# Altium PCB TM4C123G.PcbDoc (part 1 of 2)
Units mm, origin at the board's own origin, x right, y up, seen from the top; angles counter-clockwise.
Board outline 50.8 x 66.04 mm, 4 copper layers (Top Layer, GND, PWR, Bottom Layer), stack 1.605 mm thick; 93 components, 87 nets, 372 pads, 308 vias.
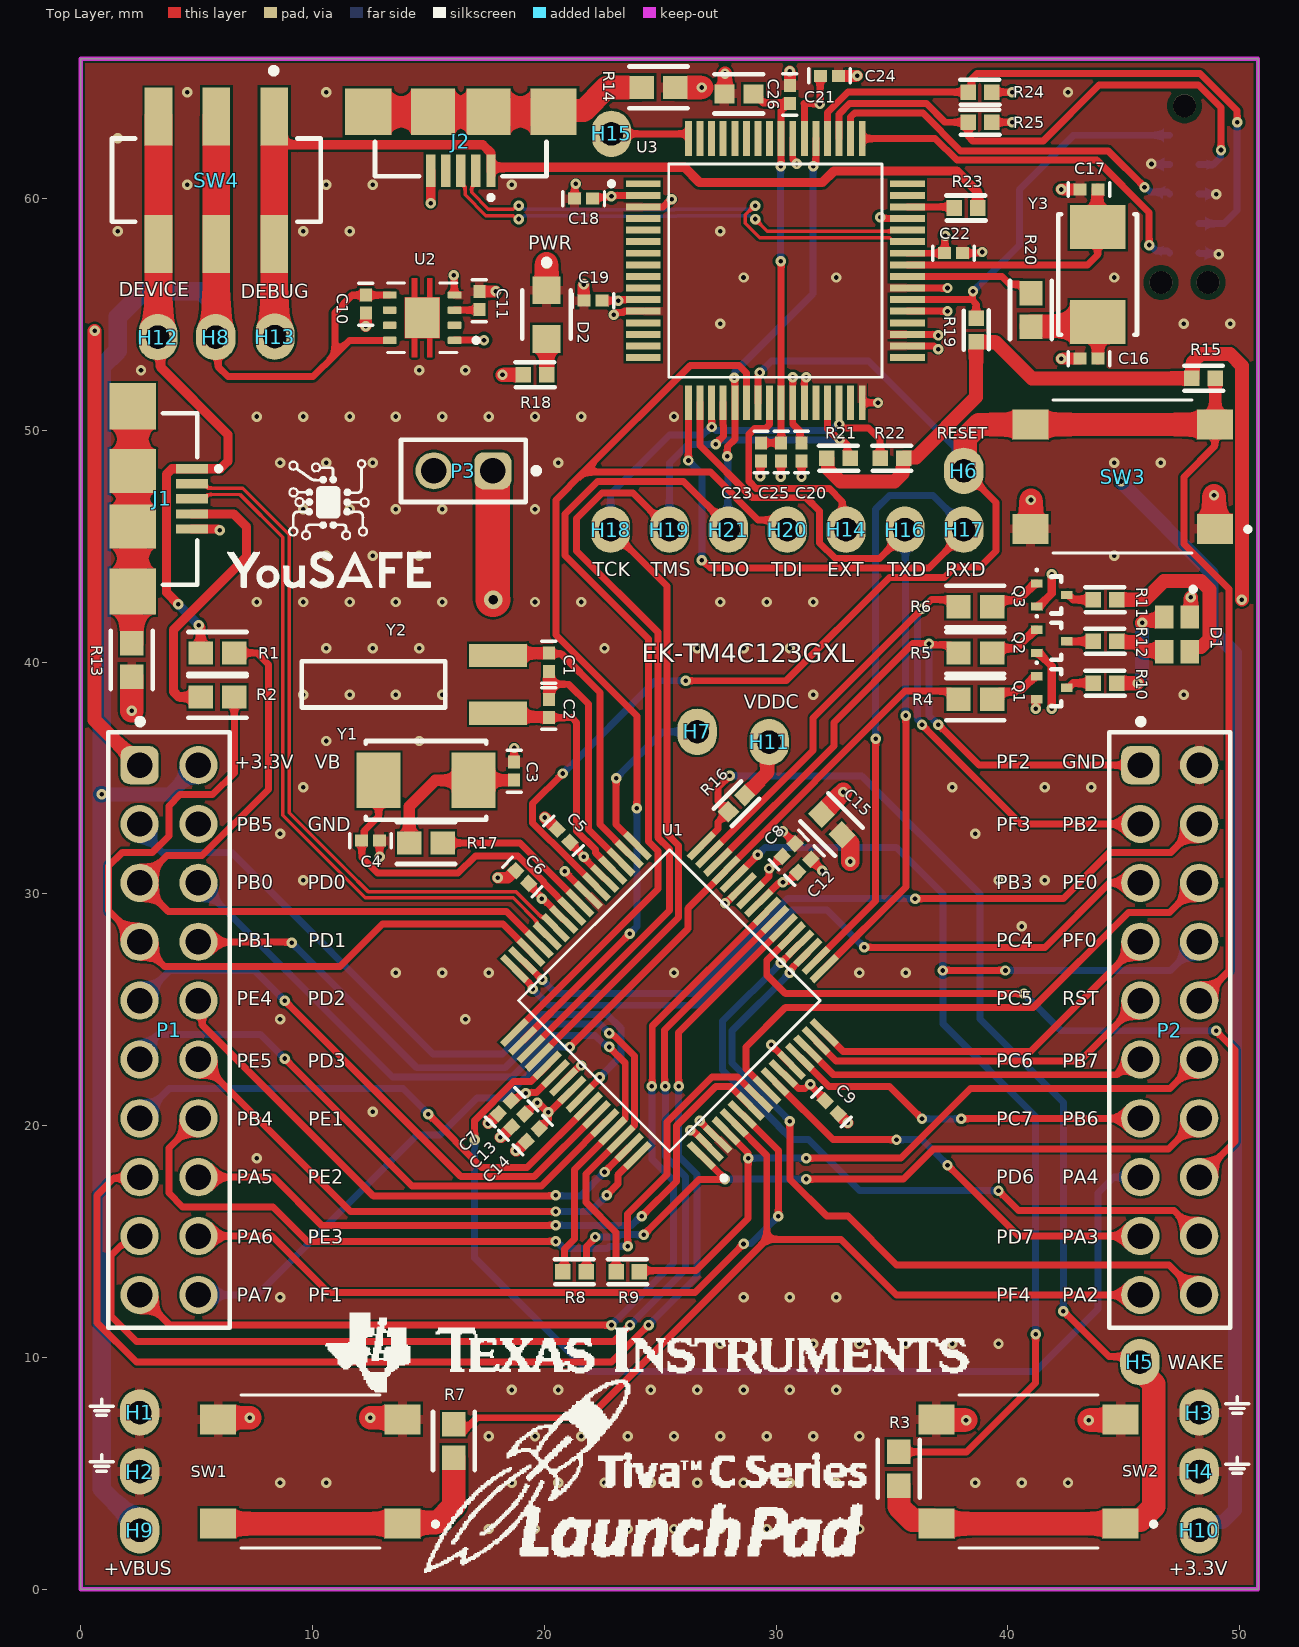
[diagram p0: Top Layer view]
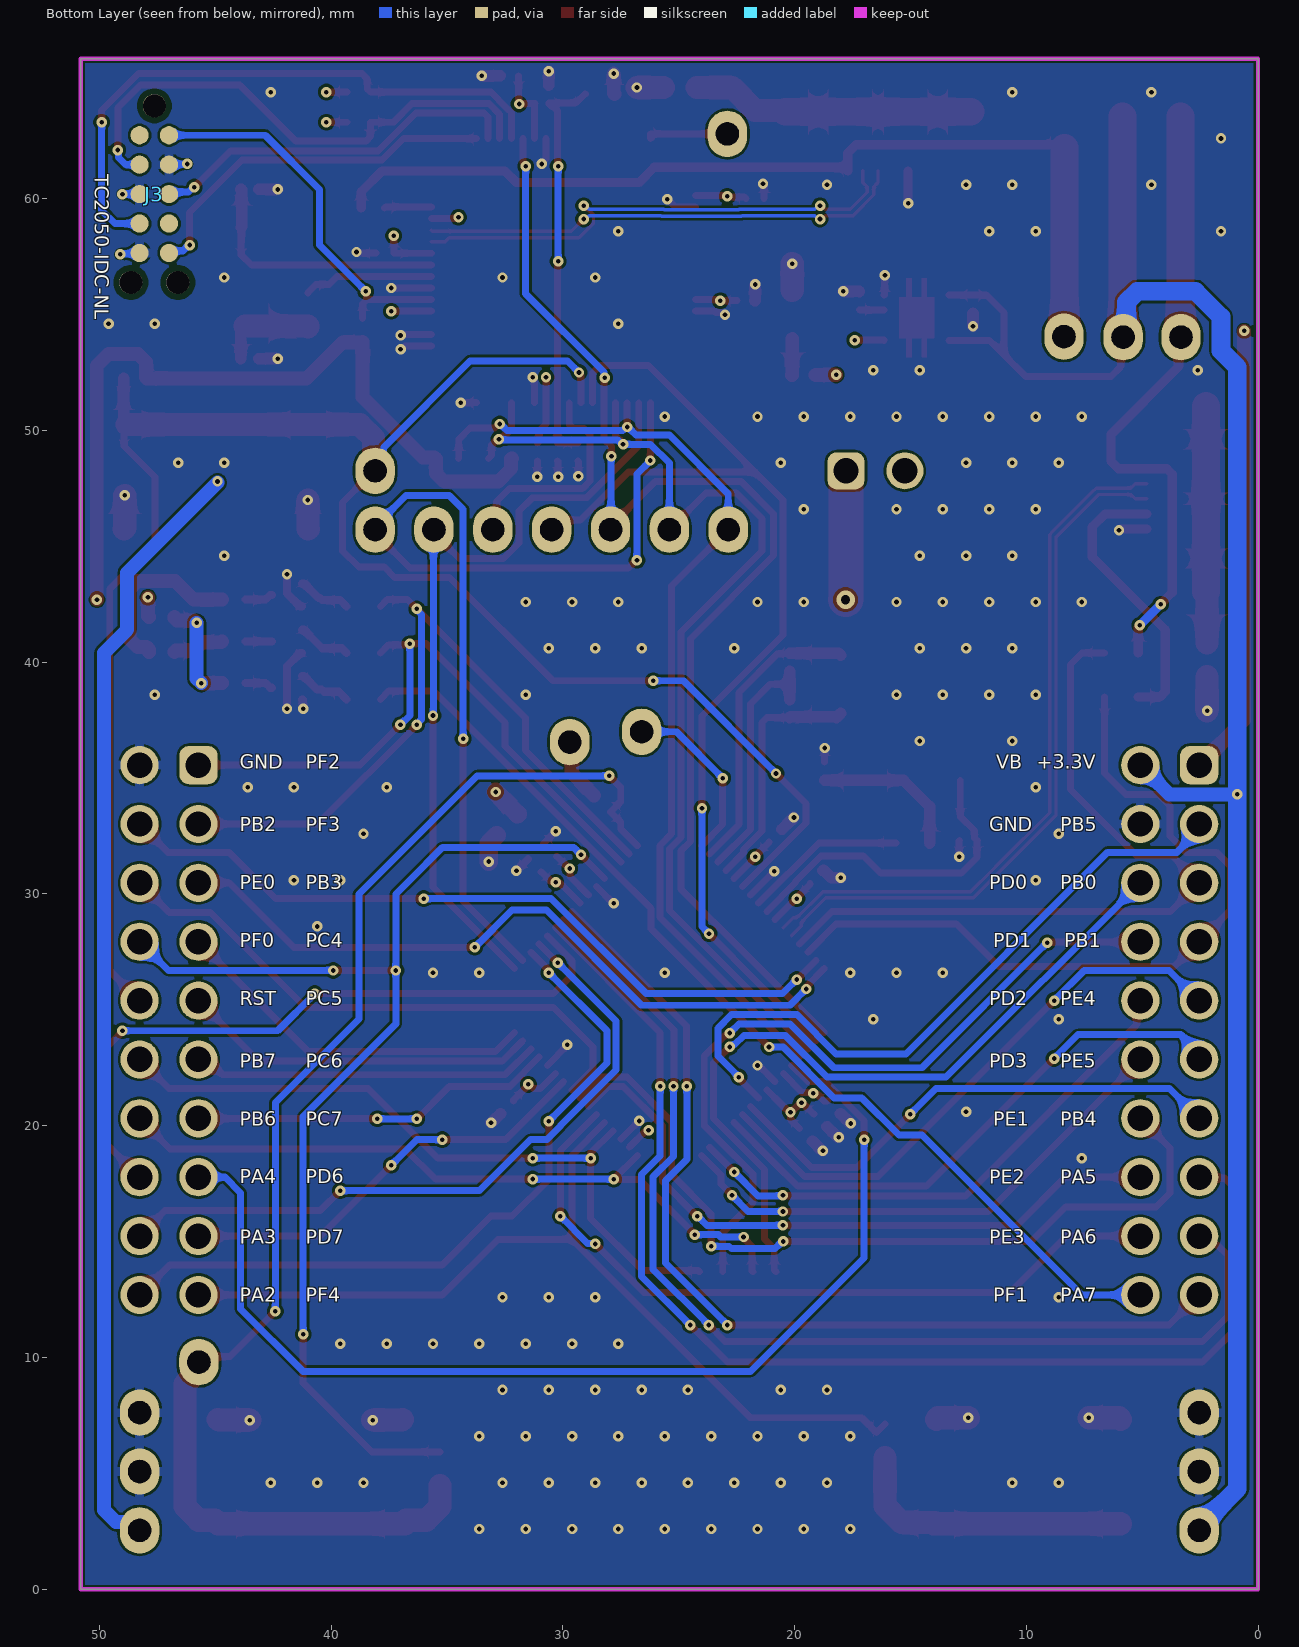
[diagram p1: Bottom Layer view, seen from below]
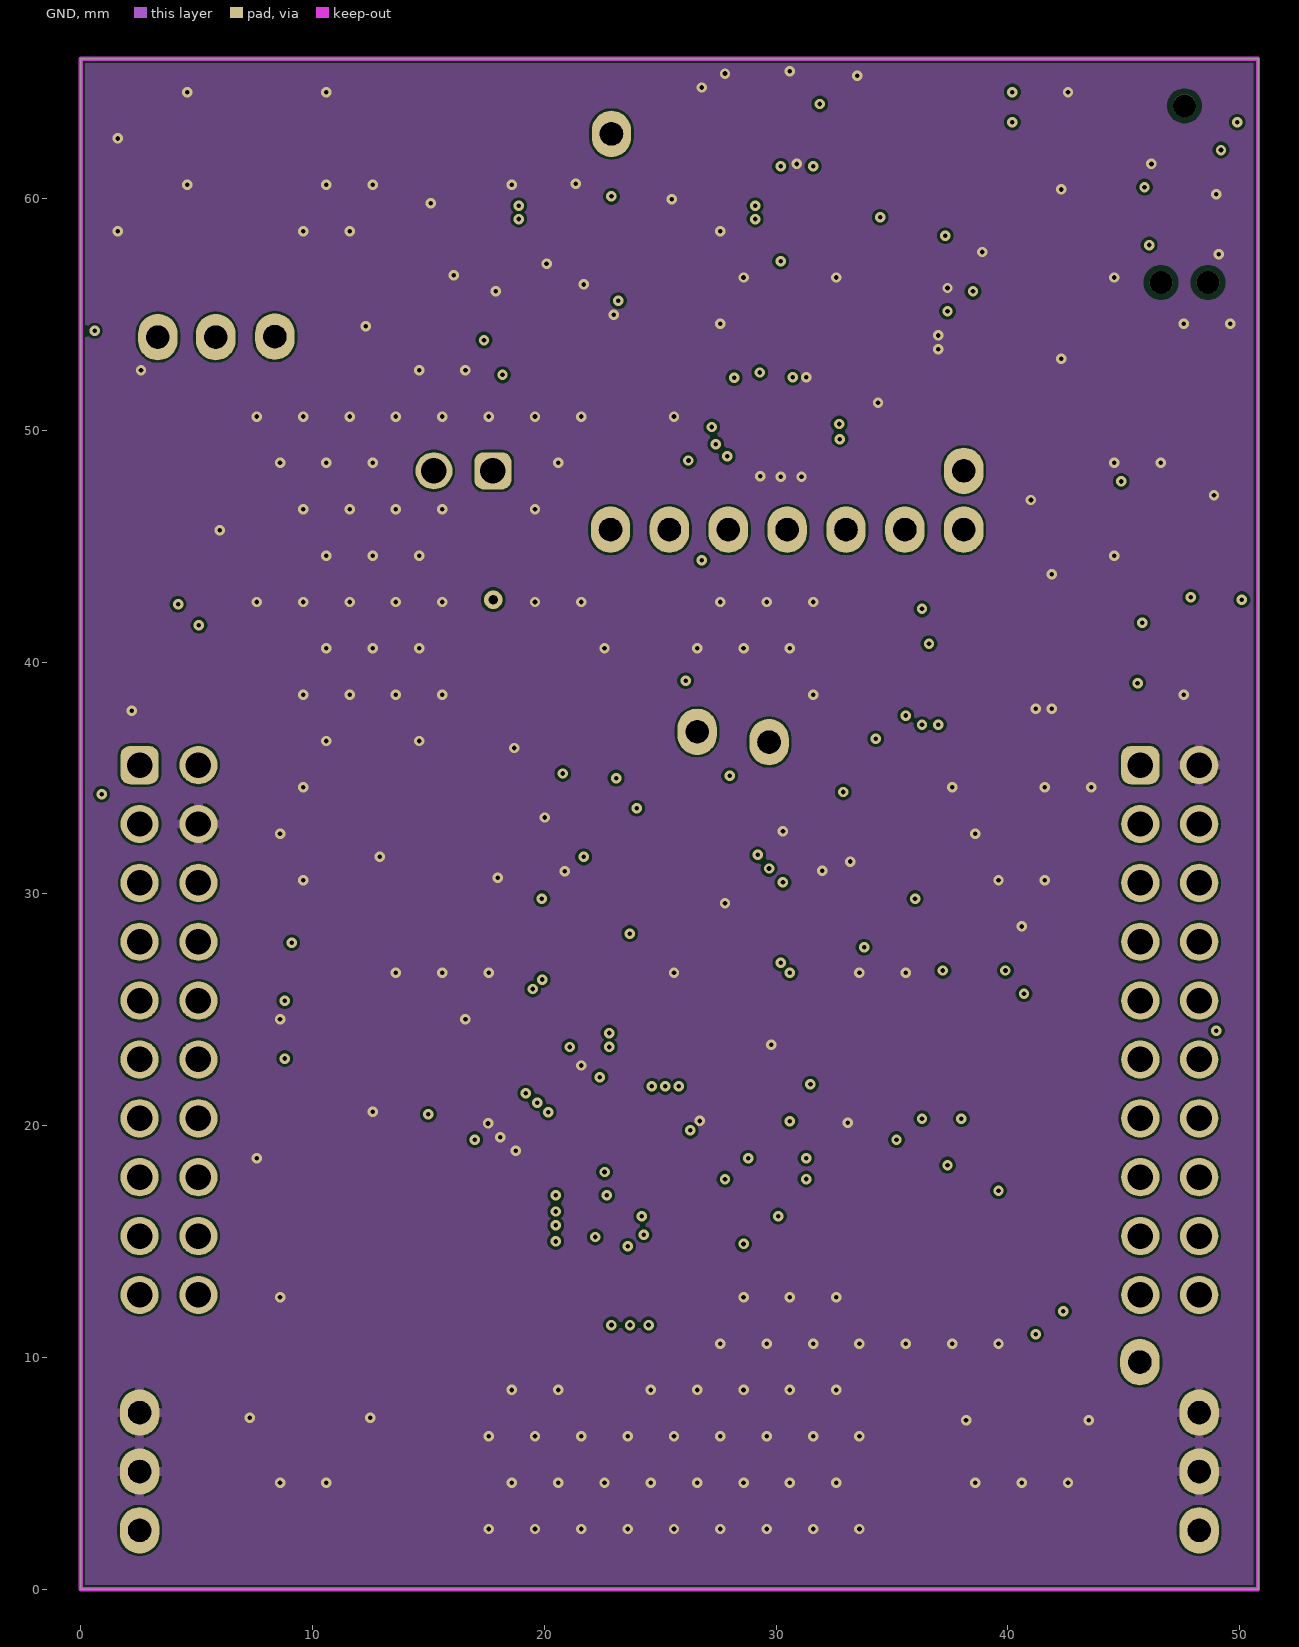
[diagram p2: GND]
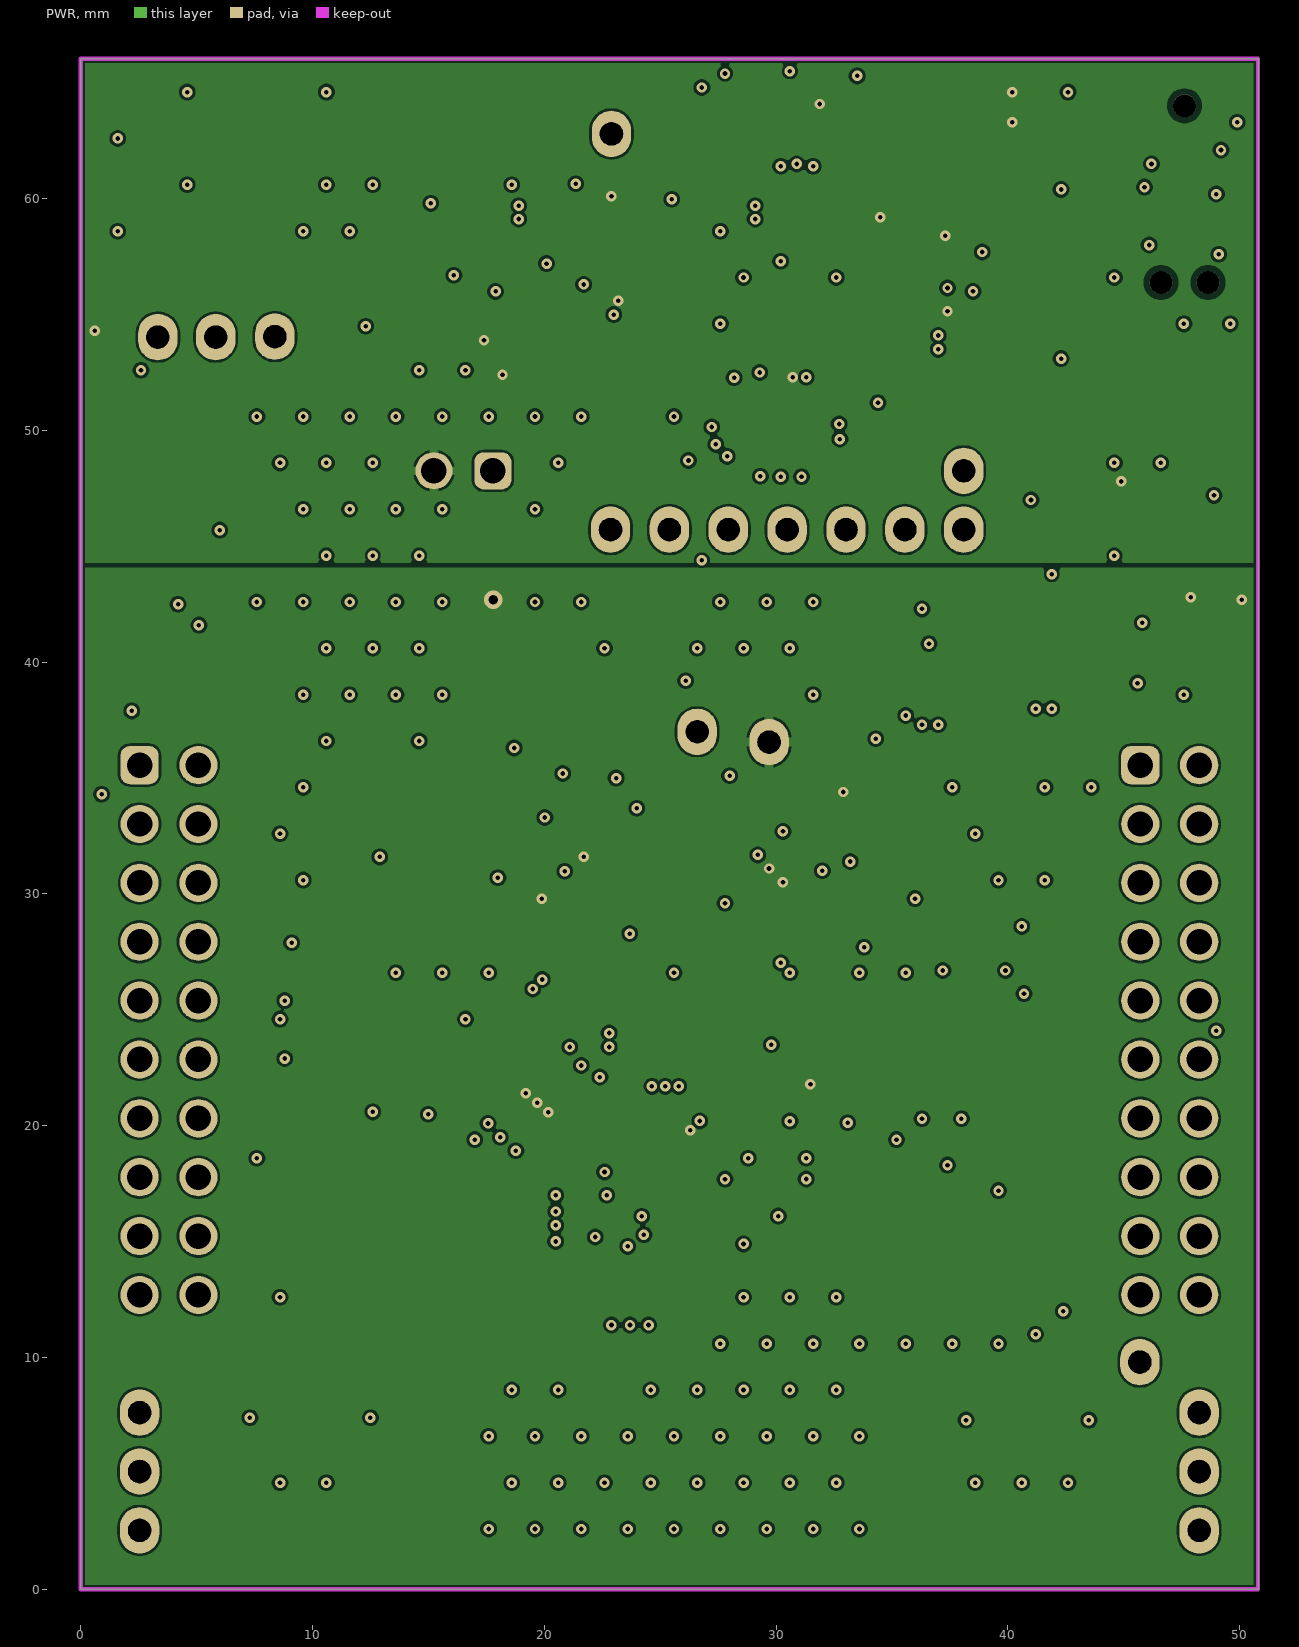
[diagram p3: PWR]
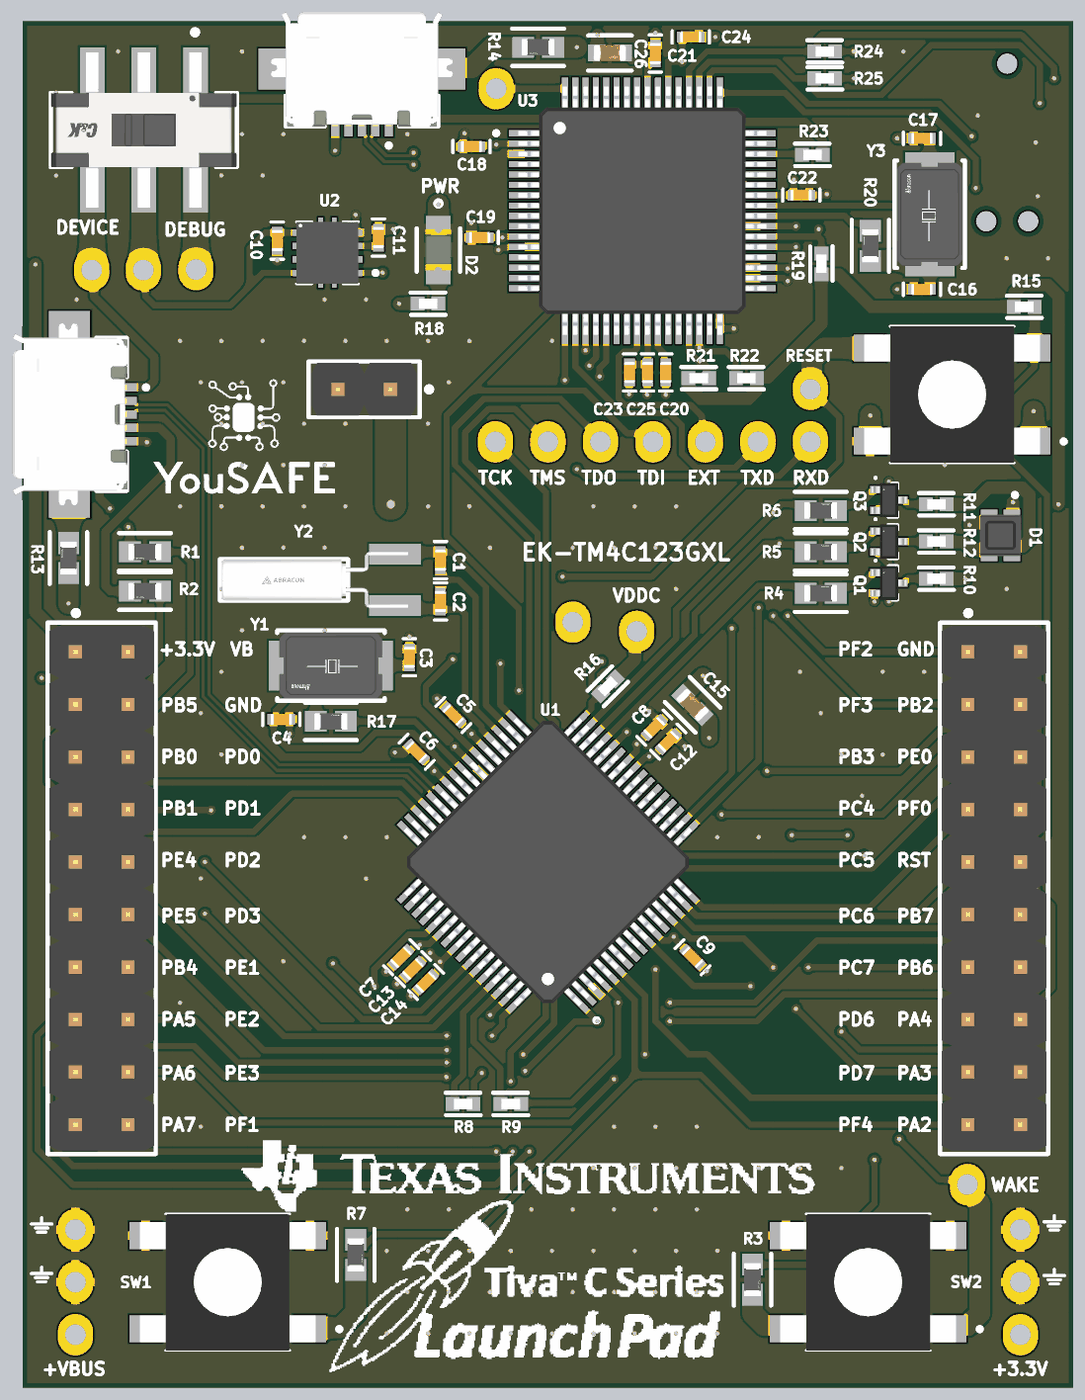
[diagram p5: 3D render of the assembled board from above, using the file's embedded part models]

## Layer stack, top to bottom
Top Solder: solder mask 0.0127, Solder Resist, Dk 3.8
Top Layer: signal copper 0.035
Dielectric 1: prepreg 0.1, 2313, Dk 4.05
GND: signal copper 0.035
Core: dielectric 1.265, FR-4, Dk 4.5
PWR: signal copper 0.035
Dielectric 2: prepreg 0.1, 2313, Dk 4.05
Bottom Layer: signal copper 0.035
Bottom Solder: solder mask 0.0127, Solder Resist, Dk 3.8

## Board outline
0,0 0,66.04 50.8,66.04 50.8,0

## Design rules (kind name [scope] priority, off if disabled: settings)
BoardOutlineClearance [All] p1: gap=0.2 ignorepadtopadclearanceinfootprint=FALSE
Clearance [All] p1: gap=0.102 ignorepadtopadclearanceinfootprint=FALSE except(0.127: Arc-Via Track-Via SMDPad-Via THPad-Via Via-Via Via-Fill Via-Poly Via-Region Via-Text; 0.25: Arc-Hole Track-Hole SMDPad-Hole THPad-Hole Via-Hole Fill-Hole Poly-Hole Region-Hole Text-Hole)
ComponentClearance [All] p1: gap=0.102 collisioncheckmode=3 verticalgap=0.102 showdistances=TRUE
DiffPairsRouting [InDifferentialPairClass('USB')] p1: maxlimit=0.127 minlimit=0.127 mostfreqgap=0.127 toplayer_minwidth=0.149 toplayer_maxwidth=0.149 toplayer_prefwidth=0.149 bottomlayer_minwidth=0.149 bottomlayer_maxwidth=0.149 bottomlayer_prefwidth=0.149 impedanceprofiledriven=TRUE impedanceprofileid={B70BF253-94DB-48C1-A8A5-919857A91640} impedanceprofilevalue=90.000000 maxuncoupledlength=12.7
Height [All] p1: minheight=0 maxheight=1816.048 prefheight=12.7
HoleSize [All] p1: absolutevalues=TRUE maxlimit=6.3 minlimit=0.2 maxpercent=80.000 minpercent=20.000
HoleToHoleClearance [All] p1: gap=0.25 allowstackedmicrovias=FALSE
MinimumAnnularRing [All] p1: minimumring=0.076
MinimumSolderMaskSliver [All] p1: minsoldermaskwidth=0
PlaneClearance [All] p1: clearance=0.102
PlaneConnect PlaneConnectPowerPads [InPadClass('PowerPads')] p1: planeconnectstyle=Direct reliefexpansion=0.508 reliefentries=4 reliefconductorwidth=0.254 reliefairgap=0.254
PlaneConnect [All] p2: pad.planeconnectstyle=Relief pad.reliefexpansion=0.3 pad.reliefentries=4 pad.reliefconductorwidth=0.2 pad.reliefairgap=0.102 via.planeconnectstyle=Direct via.reliefexpansion=0.3 via.reliefentries=4 via.reliefconductorwidth=0.127 via.reliefairgap=0.127
PolygonConnect PolygonConnectPowerPads [All vs (InPadClass('PowerPads'))] p1: connectstyle=Direct reliefconductorwidth=0.254 reliefentries=4 polygonreliefangle="90 Angle" airgapwidth=0.254
PolygonConnect [All] p2: thpad.connectstyle=Relief thpad.reliefconductorwidth=0.4 thpad.reliefentries=4 thpad.polygonreliefangle="90 Angle" thpad.airgapwidth=0.102 smdpad.connectstyle=Relief smdpad.reliefconductorwidth=0.4 smdpad.reliefentries=4 smdpad.polygonreliefangle="90 Angle" smdpad.airgapwidth=0.102 via.connectstyle=Direct via.reliefconductorwidth=0.127 via.reliefentries=4 via.polygonreliefangle="90 Angle" via.airgapwidth=0.127
RoutingVias [All] p1: holewidth=0.2 width=0.45 viastyle="Through Hole" minholewidth=0.2 minwidth=0.45 maxholewidth=6.3 maxwidth=6.55
SilkToSilkClearance [All] p1: silktosilkclearance=0
SilkToSolderMaskClearance [IsPad] p1: minsilkscreentomaskgap=0.102 clearancetoexposedcopper=TRUE
SolderMaskExpansion [All] p1: expansion=0.075 istentingtop=FALSE
SupplyNets "Schematic Supply Nets_5" [InNet('GND')] p1: voltage=0.000
SupplyNets "Schematic Supply Nets_4" [InNet('+USB0_VBUS')] p2: voltage=0.000
SupplyNets "Schematic Supply Nets_3" [InNet('+3V3')] p3: voltage=0.000
SupplyNets "Schematic Supply Nets_2" [InNet('+MCU_PWR')] p4: voltage=0.000
SupplyNets "Schematic Supply Nets_1" [InNet('+ICDI_VBUS')] p5: voltage=0.000
SupplyNets "Schematic Supply Nets" [InNet('+VBUS')] p6: voltage=0.000
Width [All] p1: maxlimit=1816.048 minlimit=0.102 preferedwidth=0.102
20 further rules are at their usual default settings.

## Classes and differential pairs
differential pair class USB: ICDL_USB USB0
component class U_Powering: C1 C2 C3 C4 C5 C6 C7 C8 C9 C10 C11 C12 C13 C14 C15 C16 C17 C18 C19 C20 C21 C22 C23 C24 C25 C26 D2 H1 H2 H3 H4 H5 H6 H7 H8 H9 H10 H11 H12 H13 P3 R15 R16 R17 R18 R19 R20 SW3 SW4 U2 Y1 Y2 Y3
component class U_Main_MCU: H16 H17 H18 H19 H20 H21 R1 R2 R3 R4 R5 R6 R7 R8 R9 U1
component class U_LEDS_SWITCHS: D1 Q1 Q2 Q3 R10 R11 R12 SW1 SW2
component class ICDI: H14 H15 R21 R22 R23 R24 R25 U3
component class U_Connectors: J1 J2 J3 P1 P2 R13 R14
differential pair USB0: +USB0_P -USB0_N
differential pair ICDL_USB: +ICDL_USB_P -ICDL_USB_N

## Components (designator, comment, footprint, x,y, rotation, side; value= is the part's Value field where it differs from the comment)
C1 "24p" "0402 CAP" 20.2,40 r90 top
C2 "24p" "0402 CAP" 20.2,38 r90 top
C3 "10p" "0402 CAP" 18.7,35.3 r270 top
C4 "10p" "0402 CAP" 12.5,32.3 r180 top
C5 "10n" "0402 CAP" 20.828,32.512 r315 top value=10nF
C6 "10n" "0402 CAP" 19.05,30.734 r315 top value=10nF
C7 "100n" "0402 CAP" 18.3,20.8 r45 top value=100nF
C8 "100n" "0402 CAP" 30.549,31.899 r225 top value=100nF
C9 "1u" "0402 CAP" 32.4,20.8 r135 top value=1uF
C10 "1u" "0402 CAP" 12.3,55.45 r90 top value=1uF
C11 "10n" "0402 CAP" 17.2,55.6 r270 top value=10nF
C12 "100n" "0402 CAP" 31.224,31.224 r225 top value=100nF
C13 "100n" "0402 CAP" 18.875,20.225 r45 top value=100nF
C14 "1u" "0402 CAP" 19.5,19.6 r45 top value=1uF
C15 "2u2" FP-GCJ188-0_2-IPC_C 32.4,33 r135 top value=2.2uF
C16 "10p" "0402 CAP" 43.5,53.1 r0 top
C17 "10p" "0402 CAP" 43.5,60.4 r0 top
C18 "10n" "0402 CAP" 21.7,60 r0 top value=10nF
C19 "10n" "0402 CAP" 22.1,55.6 r0 top value=10nF
C20 "100n" "0402 CAP" 31.1,49.075 r90 top value=100nF
C21 "100n" "0402 CAP" 32.31,65.3 r180 top value=100nF
C22 "1u" "0402 CAP" 37.66,57.65 r180 top value=1uF
C23 "100n" "0402 CAP" 29.35,49.075 r90 top value=100nF
C24 "100n" "0402 CAP" 30.6,64.5 r270 top value=100nF
C25 "1u" "0402 CAP" 30.225,49.075 r90 top value=1uF
C26 "2u2" FP-GCJ188-0_2-IPC_C 28.4,64.525 r0 top value=2.2uF
D1 "CLMVC-FKA-CL1D1L71BB7C3C3" LED_CLMVC-FKA-CL1D1L71BB7C3C3 47.3,41.2 r270 top
D2 "LED GREEN" FP-LTST-C171GKT-MFG 20.1,55 r270 top
H1 "Test Point" "Test Point" 2.54,7.62 r0 top
H2 "Test Point" "Test Point" 2.54,5.08 r0 top
H3 "Test Point" "Test Point" 48.26,7.62 r0 top
H4 "Test Point" "Test Point" 48.26,5.08 r0 top
H5 "Test Point" "Test Point" 45.7,9.8 r0 top
H6 "Test Point" "Test Point" 38.1,48.26 r0 top
H7 "Test Point" "Test Point" 26.6,37 r0 top
H8 "Test Point" "Test Point" 5.825,54.025 r180 top
H9 "Test Point" "Test Point" 2.54,2.54 r0 top
H10 "Test Point" "Test Point" 48.26,2.54 r0 top
H11 "Test Point" "Test Point" 29.7,36.552 r0 top
H12 "Test Point" "Test Point" 3.325,54.025 r180 top
H13 "Test Point" "Test Point" 8.375,54.05 r180 top
H14 "Test Point" "Test Point" 33.02,45.72 r0 top
H15 "Test Point" "Test Point" 22.9,62.8 r0 top
H16 "Test Point" "Test Point" 35.56,45.72 r0 top
H17 "Test Point" "Test Point" 38.1,45.72 r0 top
H18 "Test Point" "Test Point" 22.86,45.72 r0 top
H19 "Test Point" "Test Point" 25.4,45.72 r0 top
H20 "Test Point" "Test Point" 30.48,45.72 r0 top
H21 "Test Point" "Test Point" 27.94,45.72 r0 top
J1 "USB3085-XX-X_REVD" GCT_USB3085-XX-X_REVD 2.25,47.05 r270 top
J2 "USB3085-XX-X_REVD" GCT_USB3085-XX-X_REVD 16.4,63.75 r180 top
J3 "TC2050-IDC-NL" TAG-CONNECT_TC2050-IDC-NL 48.26,62.738 r180 bottom
P1 "61302021121" 61302021121 3.81,24.13 r270 top
P2 "61302021121" 61302021121 46.99,24.13 r270 top
P3 "61300211121" 61300211121 16.51,48.26 r180 top
Q1 "DTC114EET1G" ONSC-SC-75-3-463-01_V 41.9,38.9 r0 top
Q2 "DTC114EET1G" ONSC-SC-75-3-463-01_V 41.9,40.9 r0 top
Q3 "DTC114EET1G" ONSC-SC-75-3-463-01_V 41.9,42.9 r0 top
R1 "0R" FP-ERA3A-IPC_B 5.9,40.4 r180 top
R2 "0R" FP-ERA3A-IPC_B 5.9,38.5 r180 top
R3 "0R" FP-ERA3A-IPC_B 35.3,5.2 r270 top
R4 "0R" FP-ERA3A-IPC_B 38.6,38.4 r0 top
R5 "0R" FP-ERA3A-IPC_B 38.6,40.4 r0 top
R6 "0R" FP-ERA3A-IPC_B 38.6,42.4 r0 top
R7 "0R" FP-ERA3A-IPC_B 16.1,6.4 r270 top
R8 "0R" "0402 RES" 21.3,13.7 r0 top
R9 "0R" "0402 RES" 23.6,13.7 r0 top
R10 "330R" "0402 RES" 44.2,39.1 r0 top
R11 "330R" "0402 RES" 44.2,40.9 r0 top
R12 "330R" "0402 RES" 44.2,42.7 r0 top
R13 "0R" FP-ERA3A-IPC_B 2.2,40.1 r90 top
R14 "0R" FP-ERA3A-IPC_B 24.926,64.8 r180 top
R15 "10k" "0402 RES" 48.45,52.25 r180 top value=10kR
R16 "1M" "0402 RES" 28.3,33.9 r45 top
R17 "0R" FP-ERA3A-IPC_B 14.9,32.2 r0 top
R18 "330R" "0402 RES" 19.6,52.4 r180 top
R19 "10k" "0402 RES" 38.634,54.332 r270 top value=10kR
R20 "0R" FP-ERA3A-IPC_B 41,55.2 r90 top
R21 "10k" "0402 RES" 32.7,48.8 r180 top value=10kR
R22 "10k" "0402 RES" 35,48.8 r0 top value=10kR
R23 "330R" "0402 RES" 38.2,59.6 r0 top
R24 "10k" "0402 RES" 38.8,64.6 r0 top value=10kR
R25 "10k" "0402 RES" 38.8,63.3 r0 top value=10kR
SW1 "B3S-1000" SW_B3S-1000 9.906,5.08 r180 top
SW2 "B3S-1000" SW_B3S-1000 40.894,5.08 r180 top
SW3 "B3S-1000" SW_B3S-1000 44.958,48.006 r180 top
SW4 "JS202011SCQN" FP-JS202011SCQN-MFG 5.85,60.8 r180 top
U1 "TM4C123GH6PMI" QFP50P1200X1200X160-64N 25.4,25.4 r135 top
U2 "TPS73633DRBT" IC_DRV8601DRBT 14.732,54.864 r180 top
U3 "TM4C123GH6PMI" QFP50P1200X1200X160-64N 29.972,56.896 r0 top
Y1 "16MHz" FP-ABM3-MFG 14.9,34.9 r180 top
Y2 "32.768KHz" FP-AB26TRB-MFG 12.63,39.045 r0 top
Y3 "16MHz" FP-ABM3-MFG 43.875,56.725 r90 top
